# Altium PCB MB1364.PcbDoc (part 4 of 8) (continued)
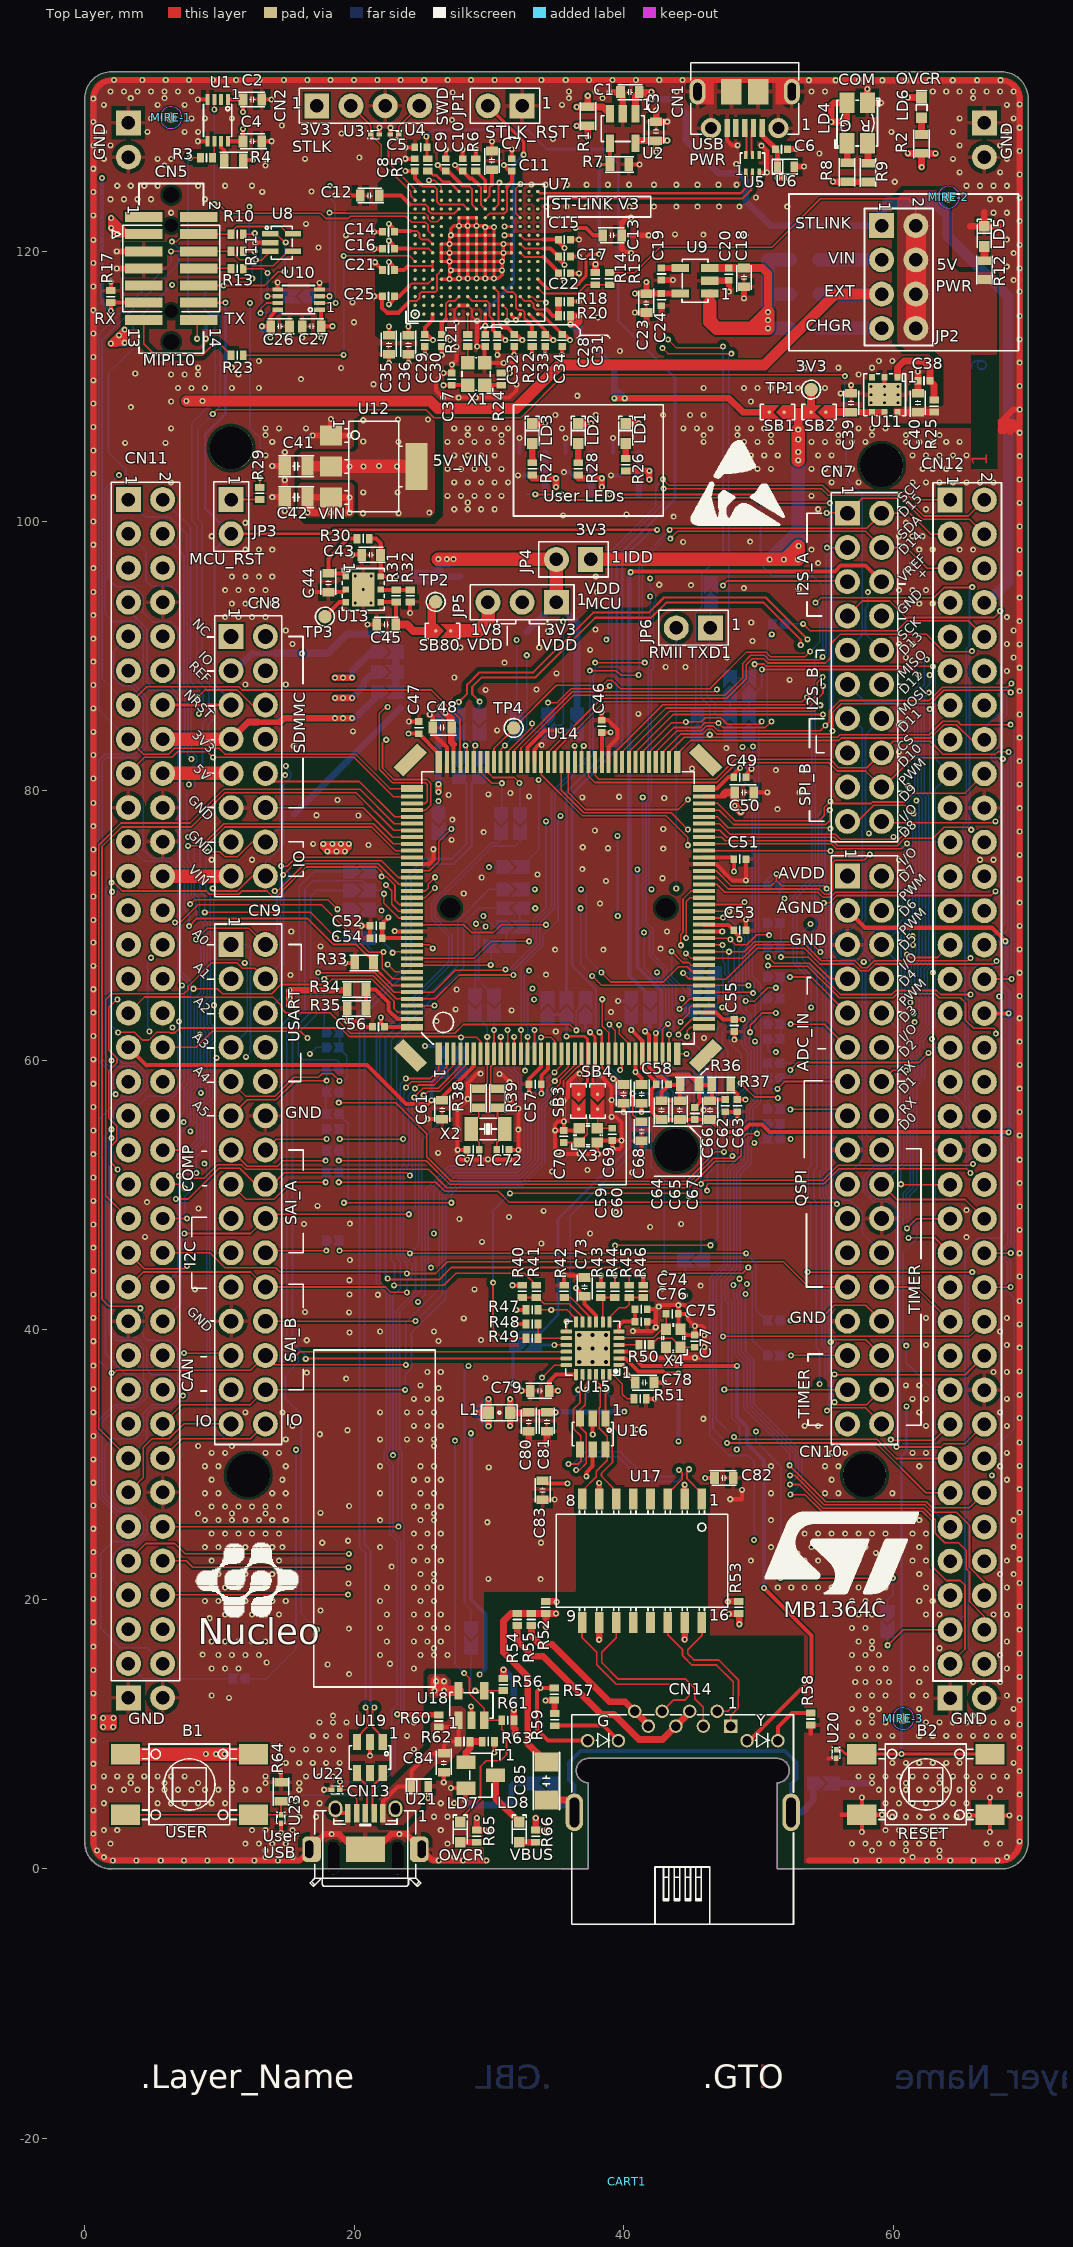
[diagram p0: Top Layer view]
## Nets (pads, with @x,y where several pads share a name; then routed paths per layer and width w, separated by ;. In a path a pad name is that pad's centre, name@x,y a point inside that pad or via, vN(x,y) a via of type N, cw(c..) or ccw(c..) an arc to the next point about the centre after c; other vN are vias at no path point) (continued)
  Signal Layer 2 w0.3: v1@49.05,70.426 v1(49.052,70.428)
  Signal Layer 2 w0.45: v1@29.816,0.625 25.837,0.625 CN13.9@24.998,1.464 23.883,2.579 v1(23.341,2.579) 22.741,2.579 21.626,1.464 20.006,1.464 18.891,2.579 v1(18.327,2.579) 17.763,2.579 CN13.8@16.648,1.464 16.648,1.33 15.947,0.629 v1(14.329,0.629) v1(12.591,0.629) v1(10.866,0.629) v1(9.104,0.629) v1(7.366,0.629) v1(5.641,0.629) v1(3.829,0.629) v1(2.091,0.629) cw(c2.091,2.079) 0.641,2.079 v1(0.641,2.616) v1(0.641,4.354) v1(0.641,6.079) v1(0.641,7.804) v1(0.641,9.541) v1(0.641,11.266) v1(0.641,13.029) v1(0.641,14.766) v1(0.641,16.491) v1(0.641,18.304) v1(0.641,20.041) v1(0.641,21.766) v1(0.641,23.504) v1(0.641,25.241) v1(0.641,26.966) v1(0.641,28.654) v1(0.641,30.391) v1(0.641,32.116) v1(0.641,33.879) v1(0.641,35.616) v1(0.641,37.341) v1(0.641,39.154) v1(0.641,40.891) v1(0.641,42.616) v1(0.641,44.354) v1(0.641,46.091) v1(0.641,47.816) v1(0.641,49.566) v1(0.641,51.304) v1(0.641,53.029) v1(0.641,54.791) v1(0.641,56.529) v1(0.641,58.254) v1(0.641,60.066) v1(0.641,61.804) v1(0.641,63.529) v1(0.641,65.266) v1(0.641,67.004) v1(0.641,68.729) v1(0.641,70.404) v1(0.641,72.141) v1(0.641,73.866) v1(0.641,75.629) v1(0.641,77.366) v1(0.641,79.091) v1(0.641,80.904) v1(0.641,82.641) v1(0.641,84.366) v1(0.641,86.104) v1(0.641,87.841) v1(0.641,89.566) v1(0.641,91.279) v1(0.641,93.016) v1(0.641,94.741) v1(0.641,96.504) v1(0.641,98.241) v1(0.641,99.966) v1(0.641,101.779) v1(0.641,103.516) v1(0.641,105.241) v1(0.641,106.979) v1(0.641,108.716) v1(0.641,110.441) v1(0.641,112.179) v1(0.641,113.916) v1(0.641,115.641) v1(0.641,117.404) v1(0.641,119.141) v1(0.641,120.866) v1(0.641,122.679) v1(0.641,124.416) v1(0.641,126.141) v1(0.641,127.879) v1(0.641,129.616) 0.641,131.294 cw(c2.062,131.294) 2.062,132.715 CN1.8@45.441,132.715 ; CN1.8@45.466,131.858 45.466,132.69 CN1.8@45.441,132.715 ; 53.741,0.625 v1(57.216,0.625) v1(58.941,0.625) v1(60.678,0.625) v1(62.491,0.625) v1(64.216,0.625) v1(65.954,0.625) v1(67.716,0.625) 67.938,0.625 ccw(c67.938,2.053) v1(69.366,2.053) v1(69.366,3.778) v1(69.366,5.515) 69.366,5.552 69.375,5.561 69.375,131.278 ccw(c67.949,131.278) v1(67.949,132.704) v1(66.212,132.704) v1(64.399,132.704) v1(62.674,132.704) v1(60.937,132.704) v1(59.174,132.704) v1(57.449,132.704) v1(55.712,132.704) v1(53.729,132.704) 52.352,132.704 52.341,132.715 CN1.8@45.441,132.715
  Signal Layer 3 w0.45: v1@29.816,0.625 25.837,0.625 CN13.9@24.998,1.464 23.883,2.579 v1(23.341,2.579) 22.741,2.579 21.626,1.464 20.006,1.464 18.891,2.579 v1(18.327,2.579) 17.763,2.579 CN13.8@16.648,1.464 16.648,1.33 15.947,0.629 v1(14.329,0.629) v1(12.591,0.629) v1(10.866,0.629) v1(9.104,0.629) v1(7.366,0.629) v1(5.641,0.629) v1(3.829,0.629) v1(2.091,0.629) cw(c2.091,2.079) 0.641,2.079 v1(0.641,2.616) v1(0.641,4.354) v1(0.641,6.079) v1(0.641,7.804) v1(0.641,9.541) v1(0.641,11.266) v1(0.641,13.029) v1(0.641,14.766) v1(0.641,16.491) v1(0.641,18.304) v1(0.641,20.041) v1(0.641,21.766) v1(0.641,23.504) v1(0.641,25.241) v1(0.641,26.966) v1(0.641,28.654) v1(0.641,30.391) v1(0.641,32.116) v1(0.641,33.879) v1(0.641,35.616) v1(0.641,37.341) v1(0.641,39.154) v1(0.641,40.891) v1(0.641,42.616) v1(0.641,44.354) v1(0.641,46.091) v1(0.641,47.816) v1(0.641,49.566) v1(0.641,51.304) v1(0.641,53.029) v1(0.641,54.791) v1(0.641,56.529) v1(0.641,58.254) v1(0.641,60.066) v1(0.641,61.804) v1(0.641,63.529) v1(0.641,65.266) v1(0.641,67.004) v1(0.641,68.729) v1(0.641,70.404) v1(0.641,72.141) v1(0.641,73.866) v1(0.641,75.629) v1(0.641,77.366) v1(0.641,79.091) v1(0.641,80.904) v1(0.641,82.641) v1(0.641,84.366) v1(0.641,86.104) v1(0.641,87.841) v1(0.641,89.566) v1(0.641,91.279) v1(0.641,93.016) v1(0.641,94.741) v1(0.641,96.504) v1(0.641,98.241) v1(0.641,99.966) v1(0.641,101.779) v1(0.641,103.516) v1(0.641,105.241) v1(0.641,106.979) v1(0.641,108.716) v1(0.641,110.441) v1(0.641,112.179) v1(0.641,113.916) v1(0.641,115.641) v1(0.641,117.404) v1(0.641,119.141) v1(0.641,120.866) v1(0.641,122.679) v1(0.641,124.416) v1(0.641,126.141) v1(0.641,127.879) v1(0.641,129.616) 0.641,131.294 cw(c2.062,131.294) 2.062,132.715 CN1.8@45.441,132.715 ; CN1.8@45.466,131.858 45.466,132.69 CN1.8@45.441,132.715 ; 53.691,0.625 v1(57.216,0.625) v1(58.941,0.625) v1(60.678,0.625) v1(62.491,0.625) v1(64.216,0.625) v1(65.954,0.625) v1(67.716,0.625) 67.938,0.625 ccw(c67.938,2.053) v1(69.366,2.053) v1(69.366,3.778) v1(69.366,5.515) 69.366,5.552 69.375,5.561 69.375,131.278 ccw(c67.949,131.278) v1(67.949,132.704) v1(66.212,132.704) v1(64.399,132.704) v1(62.674,132.704) v1(60.937,132.704) v1(59.174,132.704) v1(57.449,132.704) v1(55.712,132.704) v1(53.729,132.704) 52.352,132.704 52.341,132.715 CN1.8@45.441,132.715
  Signal Layer 4 w0.45: v1@29.816,0.625 25.837,0.625 CN13.9@24.998,1.464 23.883,2.579 v1(23.341,2.579) 22.741,2.579 21.626,1.464 20.006,1.464 18.891,2.579 v1(18.327,2.579) 17.763,2.579 CN13.8@16.648,1.464 16.648,1.33 15.947,0.629 v1(14.329,0.629) v1(12.591,0.629) v1(10.866,0.629) v1(9.104,0.629) v1(7.366,0.629) v1(5.641,0.629) v1(3.829,0.629) v1(2.091,0.629) cw(c2.091,2.079) 0.641,2.079 v1(0.641,2.616) v1(0.641,4.354) v1(0.641,6.079) v1(0.641,7.804) v1(0.641,9.541) v1(0.641,11.266) v1(0.641,13.029) v1(0.641,14.766) v1(0.641,16.491) v1(0.641,18.304) v1(0.641,20.041) v1(0.641,21.766) v1(0.641,23.504) v1(0.641,25.241) v1(0.641,26.966) v1(0.641,28.654) v1(0.641,30.391) v1(0.641,32.116) v1(0.641,33.879) v1(0.641,35.616) v1(0.641,37.341) v1(0.641,39.154) v1(0.641,40.891) v1(0.641,42.616) v1(0.641,44.354) v1(0.641,46.091) v1(0.641,47.816) v1(0.641,49.566) v1(0.641,51.304) v1(0.641,53.029) v1(0.641,54.791) v1(0.641,56.529) v1(0.641,58.254) v1(0.641,60.066) v1(0.641,61.804) v1(0.641,63.529) v1(0.641,65.266) v1(0.641,67.004) v1(0.641,68.729) v1(0.641,70.404) v1(0.641,72.141) v1(0.641,73.866) v1(0.641,75.629) v1(0.641,77.366) v1(0.641,79.091) v1(0.641,80.904) v1(0.641,82.641) v1(0.641,84.366) v1(0.641,86.104) v1(0.641,87.841) v1(0.641,89.566) v1(0.641,91.279) v1(0.641,93.016) v1(0.641,94.741) v1(0.641,96.504) v1(0.641,98.241) v1(0.641,99.966) v1(0.641,101.779) v1(0.641,103.516) v1(0.641,105.241) v1(0.641,106.979) v1(0.641,108.716) v1(0.641,110.441) v1(0.641,112.179) v1(0.641,113.916) v1(0.641,115.641) v1(0.641,117.404) v1(0.641,119.141) v1(0.641,120.866) v1(0.641,122.679) v1(0.641,124.416) v1(0.641,126.141) v1(0.641,127.879) v1(0.641,129.616) 0.641,131.294 cw(c2.062,131.294) 2.062,132.715 CN1.8@45.441,132.715 ; CN1.8@45.466,131.858 45.466,132.69 CN1.8@45.441,132.715 ; v1(57.216,0.625) v1(58.941,0.625) v1(60.678,0.625) v1(62.491,0.625) v1(64.216,0.625) v1(65.954,0.625) v1(67.716,0.625) 67.938,0.625 ccw(c67.938,2.053) v1(69.366,2.053) v1(69.366,3.778) v1(69.366,5.515) 69.366,5.552 69.375,5.561 69.375,131.278 ccw(c67.949,131.278) v1(67.949,132.704) v1(66.212,132.704) v1(64.399,132.704) v1(62.674,132.704) v1(60.937,132.704) v1(59.174,132.704) v1(57.449,132.704) v1(55.712,132.704) v1(53.729,132.704) 52.352,132.704 52.341,132.715 CN1.8@45.441,132.715
  Bottom Layer w0.3: v1(8.991,113.529) U24.2@8.991,114.504 ; v1(32.15,103.392) 32.157,103.385 R70.1@32.811,103.385 ; Q3.2@32.258,105.047 v1(32.258,106.165) ; v1(35.566,103.629) 35.967,103.629 R69.1@36.211,103.385 ; Q2.2@35.666,105.047 v1(35.666,106.165) ; v1(39.05,103.392) 39.057,103.385 R68.1@39.711,103.385 ; Q1.2@39.191,105.047 v1(39.191,106.165) ; v1(39.575,64.4) SB43.1@40.55,64.4 ; v1(45.925,56.3) 46.025,56.3 SB56.2@46.025,57.4
  Bottom Layer w0.45: v1@29.816,0.625 25.837,0.625 CN13.9@24.998,1.464 23.883,2.579 v1(23.341,2.579) 22.741,2.579 21.626,1.464 20.006,1.464 18.891,2.579 v1(18.327,2.579) 17.763,2.579 CN13.8@16.648,1.464 16.648,1.33 15.947,0.629 v1(14.329,0.629) v1(12.591,0.629) v1(10.866,0.629) v1(9.104,0.629) v1(7.366,0.629) v1(5.641,0.629) v1(3.829,0.629) v1(2.091,0.629) cw(c2.091,2.079) 0.641,2.079 v1(0.641,2.616) v1(0.641,4.354) v1(0.641,6.079) v1(0.641,7.804) v1(0.641,9.541) v1(0.641,11.266) v1(0.641,13.029) v1(0.641,14.766) v1(0.641,16.491) v1(0.641,18.304) v1(0.641,20.041) v1(0.641,21.766) v1(0.641,23.504) v1(0.641,25.241) v1(0.641,26.966) v1(0.641,28.654) v1(0.641,30.391) v1(0.641,32.116) v1(0.641,33.879) v1(0.641,35.616) v1(0.641,37.341) v1(0.641,39.154) v1(0.641,40.891) v1(0.641,42.616) v1(0.641,44.354) v1(0.641,46.091) v1(0.641,47.816) v1(0.641,49.566) v1(0.641,51.304) v1(0.641,53.029) v1(0.641,54.791) v1(0.641,56.529) v1(0.641,58.254) v1(0.641,60.066) v1(0.641,61.804) v1(0.641,63.529) v1(0.641,65.266) v1(0.641,67.004) v1(0.641,68.729) v1(0.641,70.404) v1(0.641,72.141) v1(0.641,73.866) v1(0.641,75.629) v1(0.641,77.366) v1(0.641,79.091) v1(0.641,80.904) v1(0.641,82.641) v1(0.641,84.366) v1(0.641,86.104) v1(0.641,87.841) v1(0.641,89.566) v1(0.641,91.279) v1(0.641,93.016) v1(0.641,94.741) v1(0.641,96.504) v1(0.641,98.241) v1(0.641,99.966) v1(0.641,101.779) v1(0.641,103.516) v1(0.641,105.241) v1(0.641,106.979) v1(0.641,108.716) v1(0.641,110.441) v1(0.641,112.179) v1(0.641,113.916) v1(0.641,115.641) v1(0.641,117.404) v1(0.641,119.141) v1(0.641,120.866) v1(0.641,122.679) v1(0.641,124.416) v1(0.641,126.141) v1(0.641,127.879) v1(0.641,129.616) 0.641,131.294 cw(c2.062,131.294) 2.062,132.715 CN1.8@45.441,132.715 ; 31.65,4.75 31.65,6.15 31.85,6.35 SB79.2@33.45,6.35 ; CN1.8@45.466,131.858 45.466,132.69 CN1.8@45.441,132.715 ; v1(57.216,0.625) v1(58.941,0.625) v1(60.678,0.625) v1(62.491,0.625) v1(64.216,0.625) v1(65.954,0.625) v1(67.716,0.625) 67.938,0.625 ccw(c67.938,2.053) v1(69.366,2.053) v1(69.366,3.778) v1(69.366,5.515) 69.366,5.552 69.375,5.561 69.375,131.278 ccw(c67.949,131.278) v1(67.949,132.704) v1(66.212,132.704) v1(64.399,132.704) v1(62.674,132.704) v1(60.937,132.704) v1(59.174,132.704) v1(57.449,132.704) v1(55.712,132.704) v1(53.729,132.704) 52.352,132.704 52.341,132.715 CN1.8@45.441,132.715
  Bottom Layer w0.5: v1(28.216,5.129) 28.595,4.75 31.65,4.75 ; SB78.2@55.425,6.35 58.392,6.35 v2(58.417,6.375)
  other v1: 26.266,0.629 28.079,0.629 29.816,0.629 1.418,0.876 13.418,0.876 15.418,0.876 27.418,0.876 61.418,0.876 63.418,0.876 68.418,0.876 1.918,1.876 11.918,1.876 12.918,1.876 13.918,1.876 14.918,1.876 26.918,1.876 56.918,1.876 57.918,1.876 58.918,1.876 59.918,1.876 60.918,1.876 61.918,1.876 62.918,1.876 66.918,1.876 67.918,1.876 1.418,2.876 2.418,2.876 12.418,2.876 13.418,2.876 15.418,2.876 26.418,2.876 59.418,2.876 60.418,2.876 61.418,2.876 62.418,2.876 63.418,2.876 15.918,3.876 25.918,3.876 26.918,3.876 59.918,3.876 60.918,3.876 61.918,3.876 62.918,3.876 63.918,3.876 1.418,4.876 5.418,4.876 6.418,4.876 7.418,4.876 8.418,4.876 9.418,4.876 10.418,4.876 16.418,4.876 17.418,4.876 26.418,4.876 27.418,4.876 59.418,4.876 60.418,4.876 61.418,4.876 62.418,4.876 63.418,4.876 64.418,4.876 65.418,4.876 1.918,5.876 2.918,5.876 3.918,5.876 4.918,5.876 5.918,5.876 6.918,5.876 7.918,5.876 8.918,5.876 9.918,5.876 10.918,5.876 11.918,5.876 12.918,5.876 15.918,5.876 56.918,5.876 58.918,5.876 59.918,5.876 60.918,5.876 61.918,5.876 62.918,5.876 63.918,5.876 64.918,5.876 65.918,5.876 67.918,5.876 1.418,6.876 2.418,6.876 3.418,6.876 4.418,6.876 5.418,6.876 6.418,6.876 7.418,6.876 13.418,6.876 16.418,6.876 17.418,6.876 18.418,6.876 57.418,6.876 58.418,6.876 59.418,6.876 60.418,6.876 61.418,6.876 62.418,6.876 63.418,6.876 64.418,6.876 65.418,6.876 66.418,6.876 67.418,6.876 68.418,6.876 14.918,7.876 15.918,7.876 16.918,7.876 17.918,7.876 18.918,7.876 59.918,7.876 60.918,7.876 61.918,7.876 62.918,7.876 63.918,7.876 64.918,7.876 68.918,7.876 15.418,8.876 16.418,8.876 17.418,8.876 18.418,8.876 24.418,8.876 16.918,9.876 17.918,9.876 18.918,9.876 23.918,9.876 56.918,9.876 57.918,9.876 58.918,9.876 59.918,9.876 61.918,9.876 62.918,9.876 63.918,9.876 64.918,9.876 65.918,9.876 66.918,9.876 67.918,9.876 68.918,9.876 17.418,10.876 18.418,10.876 19.418,10.876 24.418,10.876 57.418,10.876 58.418,10.876 59.418,10.876 62.418,10.876 63.418,10.876 64.418,10.876 65.418,10.876 66.418,10.876 67.418,10.876 68.418,10.876 56.918,11.876 57.918,11.876 58.918,11.876 61.918,11.876 68.918,11.876 10.7,12.7 9.418,12.876 57.418,12.876 58.418,12.876 59.418,12.876 61.418,12.876 62.418,12.876 68.418,12.876 57.918,13.876 58.918,13.876 61.918,13.876 65.918,13.876 67.918,13.876 19.625,14.45 9.418,14.876 10.418,14.876 11.418,14.876 24.418,14.876 57.418,14.876 58.418,14.876 59.418,14.876 61.418,14.876 62.418,14.876 68.418,14.876 18.025,15.175 22.65,15.225 13.5,15.325 9.918,15.876 10.918,15.876 11.918,15.876 12.918,15.876 21.918,15.876 24.918,15.876 25.918,15.876 26.918,15.876 56.918,15.876 57.918,15.876 58.918,15.876 67.918,15.876 8.75,15.9 9.418,16.876 10.418,16.876 11.418,16.876 12.418,16.876 13.418,16.876 22.418,16.876 24.418,16.876 25.418,16.876 26.418,16.876 57.418,16.876 58.418,16.876 68.418,16.876 19.6,17.825 21.918,17.876 24.918,17.876 25.918,17.876 26.918,17.876 56.918,17.876 57.918,17.876 9.275,18.6 10.418,18.876 11.418,18.876 12.418,18.876 13.418,18.876 14.418,18.876 22.418,18.876 24.418,18.876 25.418,18.876 26.418,18.876 57.418,18.876 58.418,18.876 62.418,18.876 63.418,18.876 67.418,18.876 68.418,18.876 17.5,19.175 8.918,19.876 9.918,19.876 10.918,19.876 11.918,19.876 12.918,19.876 13.918,19.876 14.918,19.876 21.918,19.876 24.918,19.876 25.918,19.876 56.918,19.876 57.918,19.876 58.918,19.876 61.918,19.876 62.918,19.876 9.418,20.876 10.418,20.876 11.418,20.876 13.418,20.876 14.418,20.876 22.418,20.876 24.418,20.876 25.418,20.876 26.418,20.876 51.418,20.876 52.418,20.876 53.418,20.876 54.418,20.876 55.418,20.876 56.418,20.876 57.418,20.876 58.418,20.876 59.418,20.876 62.418,20.876 68.418,20.876 19.575,21.175 33.825,21.5 29.95,21.525 8.918,21.876 9.918,21.876 10.918,21.876 11.918,21.876 12.918,21.876 13.918,21.876 14.918,21.876 24.918,21.876 25.918,21.876 50.918,21.876 61.918,21.876 67.918,21.876 68.918,21.876 22.775,22.425 9.418,22.876 10.418,22.876 11.418,22.876 12.418,22.876 13.418,22.876 14.418,22.876 24.418,22.876 25.418,22.876 26.418,22.876 49.418,22.876 52.418,22.876 53.418,22.876 54.418,22.876 55.418,22.876 56.418,22.876 57.418,22.876 59.418,22.876 61.418,22.876 62.418,22.876 68.418,22.876 52.875,23.4 58.7,23.45 8.918,23.876 9.918,23.876 10.918,23.876 11.918,23.876 12.918,23.876 13.918,23.876 21.918,23.876 24.918,23.876 25.918,23.876 50.918,23.876 53.918,23.876 54.918,23.876 55.918,23.876 56.918,23.876 57.918,23.876 59.918,23.876 61.918,23.876 68.918,23.876 17.625,24.2 33.85,24.2 19.55,24.35 9.418,24.876 10.418,24.876 11.418,24.876 12.418,24.876 13.418,24.876 14.418,24.876 24.418,24.876 25.418,24.876 26.418,24.876 52.418,24.876 53.418,24.876 54.418,24.876 55.418,24.876 56.418,24.876 57.418,24.876 58.418,24.876 59.418,24.876 61.418,24.876 62.418,24.876 29.875,25.725 8.918,25.876 9.918,25.876 10.918,25.876 11.918,25.876 12.918,25.876 13.918,25.876 14.918,25.876 21.918,25.876 24.918,25.876 25.918,25.876 50.918,25.876 52.918,25.876 53.918,25.876 54.918,25.876 55.918,25.876 56.918,25.876 57.918,25.876 58.918,25.876 59.918,25.876 61.918,25.876 68.918,25.876 17.5,26.425 9.418,26.876 10.418,26.876 11.418,26.876 12.418,26.876 13.418,26.876 14.418,26.876 24.418,26.876 25.418,26.876 26.418,26.876 19.625,26.925 8.918,27.876 9.918,27.876 13.918,27.876 14.918,27.876 21.918,27.876 24.918,27.876 25.918,27.876 50.918,27.876 54.918,27.876 55.918,27.876 59.918,27.876 9.418,28.876 24.418,28.876 25.418,28.876 26.418,28.876 55.418,28.876 68.418,28.876 29.975,29.8 8.918,29.876 9.918,29.876 14.918,29.876 21.918,29.876 24.918,29.876 25.918,29.876 50.918,29.876 54.918,29.876 55.918,29.876 61.918,29.876 67.918,29.876 9.418,30.876 10.418,30.876 13.418,30.876 14.418,30.876 55.418,30.876 56.418,30.876 61.418,30.876 62.418,30.876 68.418,30.876 14.918,31.876 21.918,31.876 23.918,31.876 24.918,31.876 25.918,31.876 17.45,32.25 19.5,32.55 40.95,32.6 15.418,32.876 24.418,32.876 25.418,32.876 26.418,32.876 53.418,32.876 54.418,32.876 62.418,32.876 68.418,32.876 45.9,33.4 11.918,33.876 21.918,33.876 23.918,33.876 24.918,33.876 25.918,33.876 61.918,33.876 67.918,33.876 24.418,34.876 25.418,34.876 26.418,34.876 61.418,34.876 62.418,34.876 68.418,34.876 26.25,35.675 24.918,35.876 60.918,35.876 61.918,35.876 19.4,36.375 29.725,36.425 16.475,36.825 25.418,36.876 26.418,36.876 67.418,36.876 68.418,36.876 62.418,38.876 68.418,38.876 26.25,39.175 16.475,39.225 29.4,39.25 19.65,39.8 21.918,39.876 25.918,39.876 67.918,39.876 28.125,40.85 62.418,40.876 68.418,40.876 19.625,41.3 16.35,41.325 21.75,42.6 19.65,42.625 8.175,43 28.925,43 42.85,43.075 45.7,43.275 19.65,43.675 19.675,45.175 33.875,46.4 29.475,46.525 65.418,46.876 4.475,46.9 37.5,47.15 41.95,47.625 16.275,47.85 44.25,47.85 19.675,47.875 27.8,48.225 31.475,48.375 39.4,48.725 34.05,48.825 65.418,48.876 8.45,49 17.275,49.2 4.625,49.475 40.625,51.675 34.675,51.75 37.3,51.85 36.725,53.075 26.225,53.125 45.95,61.65 34.95,62.125 26.1,62.9 39.05,63.575 31.675,63.7 27.525,63.775 27.6,65.25 15.275,66.325 34.225,66.35 34.9,68.2 38.475,68.2 42.725,68.275 17.5,68.45 15.325,69.55 43.2,69.55 38.225,71.625 28.125,72.375 38.675,73.3 42.875,73.5 29.45,73.55 33.6,73.775 36.925,74.175 9.418,74.876 12.418,74.876 60.418,74.876 66.418,74.876 67.418,74.876 38.825,75.725 42.925,75.7 36.95,75.8 21.05,75.975 16.95,76.05 27.225,76.35 29.6,76.925 37.85,77.05 42.925,77.15 27.275,77.85 20.3,78.15 17.2,78.175 51.4,78.625 18.75,79.3 43,79.45 36.925,79.5 39.65,79.55 32.975,79.575 27,79.675 29.95,79.725 31.575,79.825 53.05,79.85 53.35,81.5 51.275,81.525 45.05,81.65 60.418,82.876 47.6,83.15 15.5,83.3 19.9,84.4 30.6,84.475 60.418,84.876 41.075,85.7 29.75,87.475 33.525,87.5 11.918,87.876 14.918,87.876 52.3,88.225 27.425,88.4 35,88.7 68.418,88.876 43.1,89.175 44.575,89.175 31.15,89.5 47.65,89.875 60.918,89.876 68.918,89.876 37.5,90.45 27.875,90.625 33.725,90.625 15.418,90.876 60.418,90.876 61.418,90.876 68.418,90.876 30.05,91.05 49.55,91.1 34.375,91.85 14.918,91.876 68.918,91.876 37.9,91.95 49.45,92.475 10.418,92.876 11.418,92.876 12.418,92.876 13.418,92.876 68.418,92.876 10.918,93.876 11.918,93.876 12.918,93.876 13.918,93.876 60.918,93.876 61.918,93.876 62.918,93.876 20.066,93.929 21.241,93.929 38,94.725 10.418,94.876 11.418,94.876 12.418,94.876 13.418,94.876 60.418,94.876 61.418,94.876 62.418,94.876 20.666,94.929 52.975,94.95 48.9,95.025 44.975,95.25 42.625,95.275 10.918,95.876 11.918,95.876 12.918,95.876 13.918,95.876 37.918,95.876 20.066,95.929 21.266,95.929 54.418,96.876 61.418,96.876 11.918,97.876 12.918,97.876 13.918,97.876 53.918,97.876 61.918,97.876 62.918,97.876 64.918,97.876 65.918,97.876 44.4,98.45 49.375,98.475 9.418,98.876 60.418,98.876 61.418,98.876 11.918,99.876 60.918,99.876 43.7,100.325 35.5,100.425 40.2,100.5 27.418,100.876 28.418,100.876 29.418,100.876 30.418,100.876 48.418,100.876 49.418,100.876 51.418,100.876 54.418,100.876 62.418,100.876 13.916,101.779 26.918,101.876 27.918,101.876 28.918,101.876 29.918,101.876 30.918,101.876 50.918,101.876 53.918,101.876 6.418,102.876 27.418,102.876 28.418,102.876 29.418,102.876 30.418,102.876 31.418,102.876 55.418,102.876 57.418,102.876 61.418,102.876 62.418,102.876 63.418,102.876 64.418,102.876 65.418,102.876 66.418,102.876 67.418,102.876 26.918,103.876 27.918,103.876 28.918,103.876 29.918,103.876 30.918,103.876 48.918,103.876 49.918,103.876 50.918,103.876 53.918,103.876 54.918,103.876 55.918,103.876 56.918,103.876 62.918,103.876 63.918,103.876 64.918,103.876 13.916,104.079 13.418,104.876 27.418,104.876 28.418,104.876 29.418,104.876 30.418,104.876 48.418,104.876 49.418,104.876 50.418,104.876 51.418,104.876 54.418,104.876 55.418,104.876 61.418,104.876 62.418,104.876 63.418,104.876 64.418,104.876 65.418,104.876 3,105.8 6,105.8 13.918,105.876 26.918,105.876 27.918,105.876 28.918,105.876 29.918,105.876 30.918,105.876 45.918,105.876 48.918,105.876 49.918,105.876 50.918,105.876 53.918,105.876 54.918,105.876 55.918,105.876 56.918,105.876 57.918,105.876 60.918,105.876 61.918,105.876 62.918,105.876 63.918,105.876 64.918,105.876 6.418,106.876 13.418,106.876 14.418,106.876 16.418,106.876 27.418,106.876 28.418,106.876 29.418,106.876 30.418,106.876 31.418,106.876 35.418,106.876 44.418,106.876 45.418,106.876 46.418,106.876 48.418,106.876 49.418,106.876 50.418,106.876 51.418,106.876 54.418,106.876 55.418,106.876 57.418,106.876 58.418,106.876 59.418,106.876 34.918,107.876 37.918,107.876 42.918,107.876 44.918,107.876 45.918,107.876 3.425,108.45 58.341,108.779 59.341,108.779 60.341,108.779 6.418,108.876 49.418,108.876 36.55,109.3 58.341,109.379 59.348,109.376 60.341,109.379 6.918,109.876 7.918,109.876 8.918,109.876 10.918,109.876 12.918,109.876 45.918,109.876 48.918,109.876 49.918,109.876 50.918,109.876 51.918,109.876 52.918,109.876 54.918,109.876 58.341,109.979 60.341,109.979 21.425,110.15 16.05,110.525 6.418,110.876 7.418,110.876 8.418,110.876 11.418,110.876 57.418,110.876 3.75,110.95 19.025,111.35 12.918,111.876 58.918,111.876 59.918,111.876 39.7,112.625 19.975,114.75 38.075,115.1 19.875,116.225 68.918,117.876 68.418,118.876 68.918,119.876 17.35,120.3 68.418,120.876 19.375,121.2 49.025,121.225 45.9,121.25 43.8,121.275 16.425,122.05 6.418,122.876 67.418,122.876 68.418,122.876 34.266,123.329 35.741,123.329 37.241,123.329 38.816,123.329 40.416,123.329 42.241,123.329 43.891,123.329 45.466,123.329 47.066,123.329 48.566,123.329 52.125,123.325 1.918,123.876 2.918,123.876 3.918,123.876 4.918,123.876 8.918,123.876 67.918,123.876 49.791,124.004 13.175,124.425 16.825,124.45 2.418,124.876 3.418,124.876 4.418,124.876 5.418,124.876 8.418,124.876 10.418,124.876 12.418,124.876 65.418,124.876 66.418,124.876 67.418,124.876 68.418,124.876 34.191,124.954 35.791,124.954 37.241,124.954 38.816,124.954 40.391,124.954 42.241,124.954 43.891,124.954 45.466,124.954 47.016,124.954 48.366,124.954 33.141,124.979 50.091,125.029 60.1,125.175 64.918,125.876 67.918,125.876 48.341,126.504 1.418,126.876 5.418,126.876 6.418,126.876 13.418,126.876 16.35,126.875 64.418,126.876 68.418,126.876 20.375,126.975 54.5,127.275 1.918,127.876 64.918,127.876 67.918,127.876 34.75,128.35 19.05,128.75 1.418,128.876 7.418,128.876 8.418,128.876 59.85,128.875 64.418,128.876 68.418,128.876 14.625,129.35 27.25,129.75 4.918,129.876 7.918,129.876 8.918,129.876 10.918,129.876 64.918,129.876 68.918,129.876 1.418,130.876 5.418,130.876 7.418,130.876 35.418,130.876 68.418,130.876 0.641,131.341 27.3,131.8 1.918,131.876 2.918,131.876 3.918,131.876 4.918,131.876 5.918,131.876 6.918,131.876 7.918,131.876 35.918,131.876 37.918,131.876 43.918,131.876 53.918,131.876 54.918,131.876 62.918,131.876 63.918,131.876 64.918,131.876 65.918,131.876 66.918,131.876 67.918,131.876 68.918,131.876 2.178,132.716 4.279,132.716 6.016,132.716 7.741,132.716 9.503,132.716 11.241,132.716 12.966,132.716 14.778,132.716 16.516,132.716 18.241,132.716 19.978,132.716 21.716,132.716 23.441,132.716 25.191,132.716 26.929,132.716 28.654,132.716 30.416,132.716 32.153,132.716 33.878,132.716 35.691,132.716 37.429,132.716 39.154,132.716 40.891,132.716 42.628,132.716 44.354,132.716
  other v2: 0.917,1.375 13.417,1.375 58.417,1.375 60.917,1.375 63.417,1.375 17.167,3.875 64.667,3.875 3.417,6.375 5.917,6.375 8.417,6.375 10.917,6.375 13.417,6.375 15.917,6.375 60.917,6.375 63.417,6.375 65.917,6.375 18.417,11.375 58.417,11.375 65.917,11.375 57.167,13.875 59.667,13.875 25.917,16.375 58.417,16.375 63.417,16.375 8.417,21.375 10.917,21.375 13.417,21.375 25.917,21.375 14.667,23.875 8.417,26.375 10.917,26.375 13.417,26.375 25.917,26.375 14.667,28.875 8.417,31.375 10.917,31.375 25.917,31.375 14.667,33.875 60.917,96.376 62.167,98.876 28.417,101.376 62.167,103.876 13.417,106.376 28.417,106.376 30.917,106.376 45.917,106.376 48.417,106.376 50.917,106.376 55.917,106.376 58.417,106.376 60.917,106.376 63.417,106.376 8.417,111.376 10.917,111.376 53.417,111.376 55.917,111.376 58.417,111.376 67.167,123.876 5.917,126.376 13.417,126.376 4.667,128.876 3.417,131.376 5.917,131.376 35.917,131.376 38.417,131.376 65.917,131.376
  other v3: 36.691,37.629 37.691,37.629 38.691,37.629 36.691,38.629 37.691,38.629 38.691,38.629 36.691,39.629 37.691,39.629 38.691,39.629